# Altium PCB TIDA-01576_ADS8686S_AFE.PcbDoc (part 2 of 3) (continued)
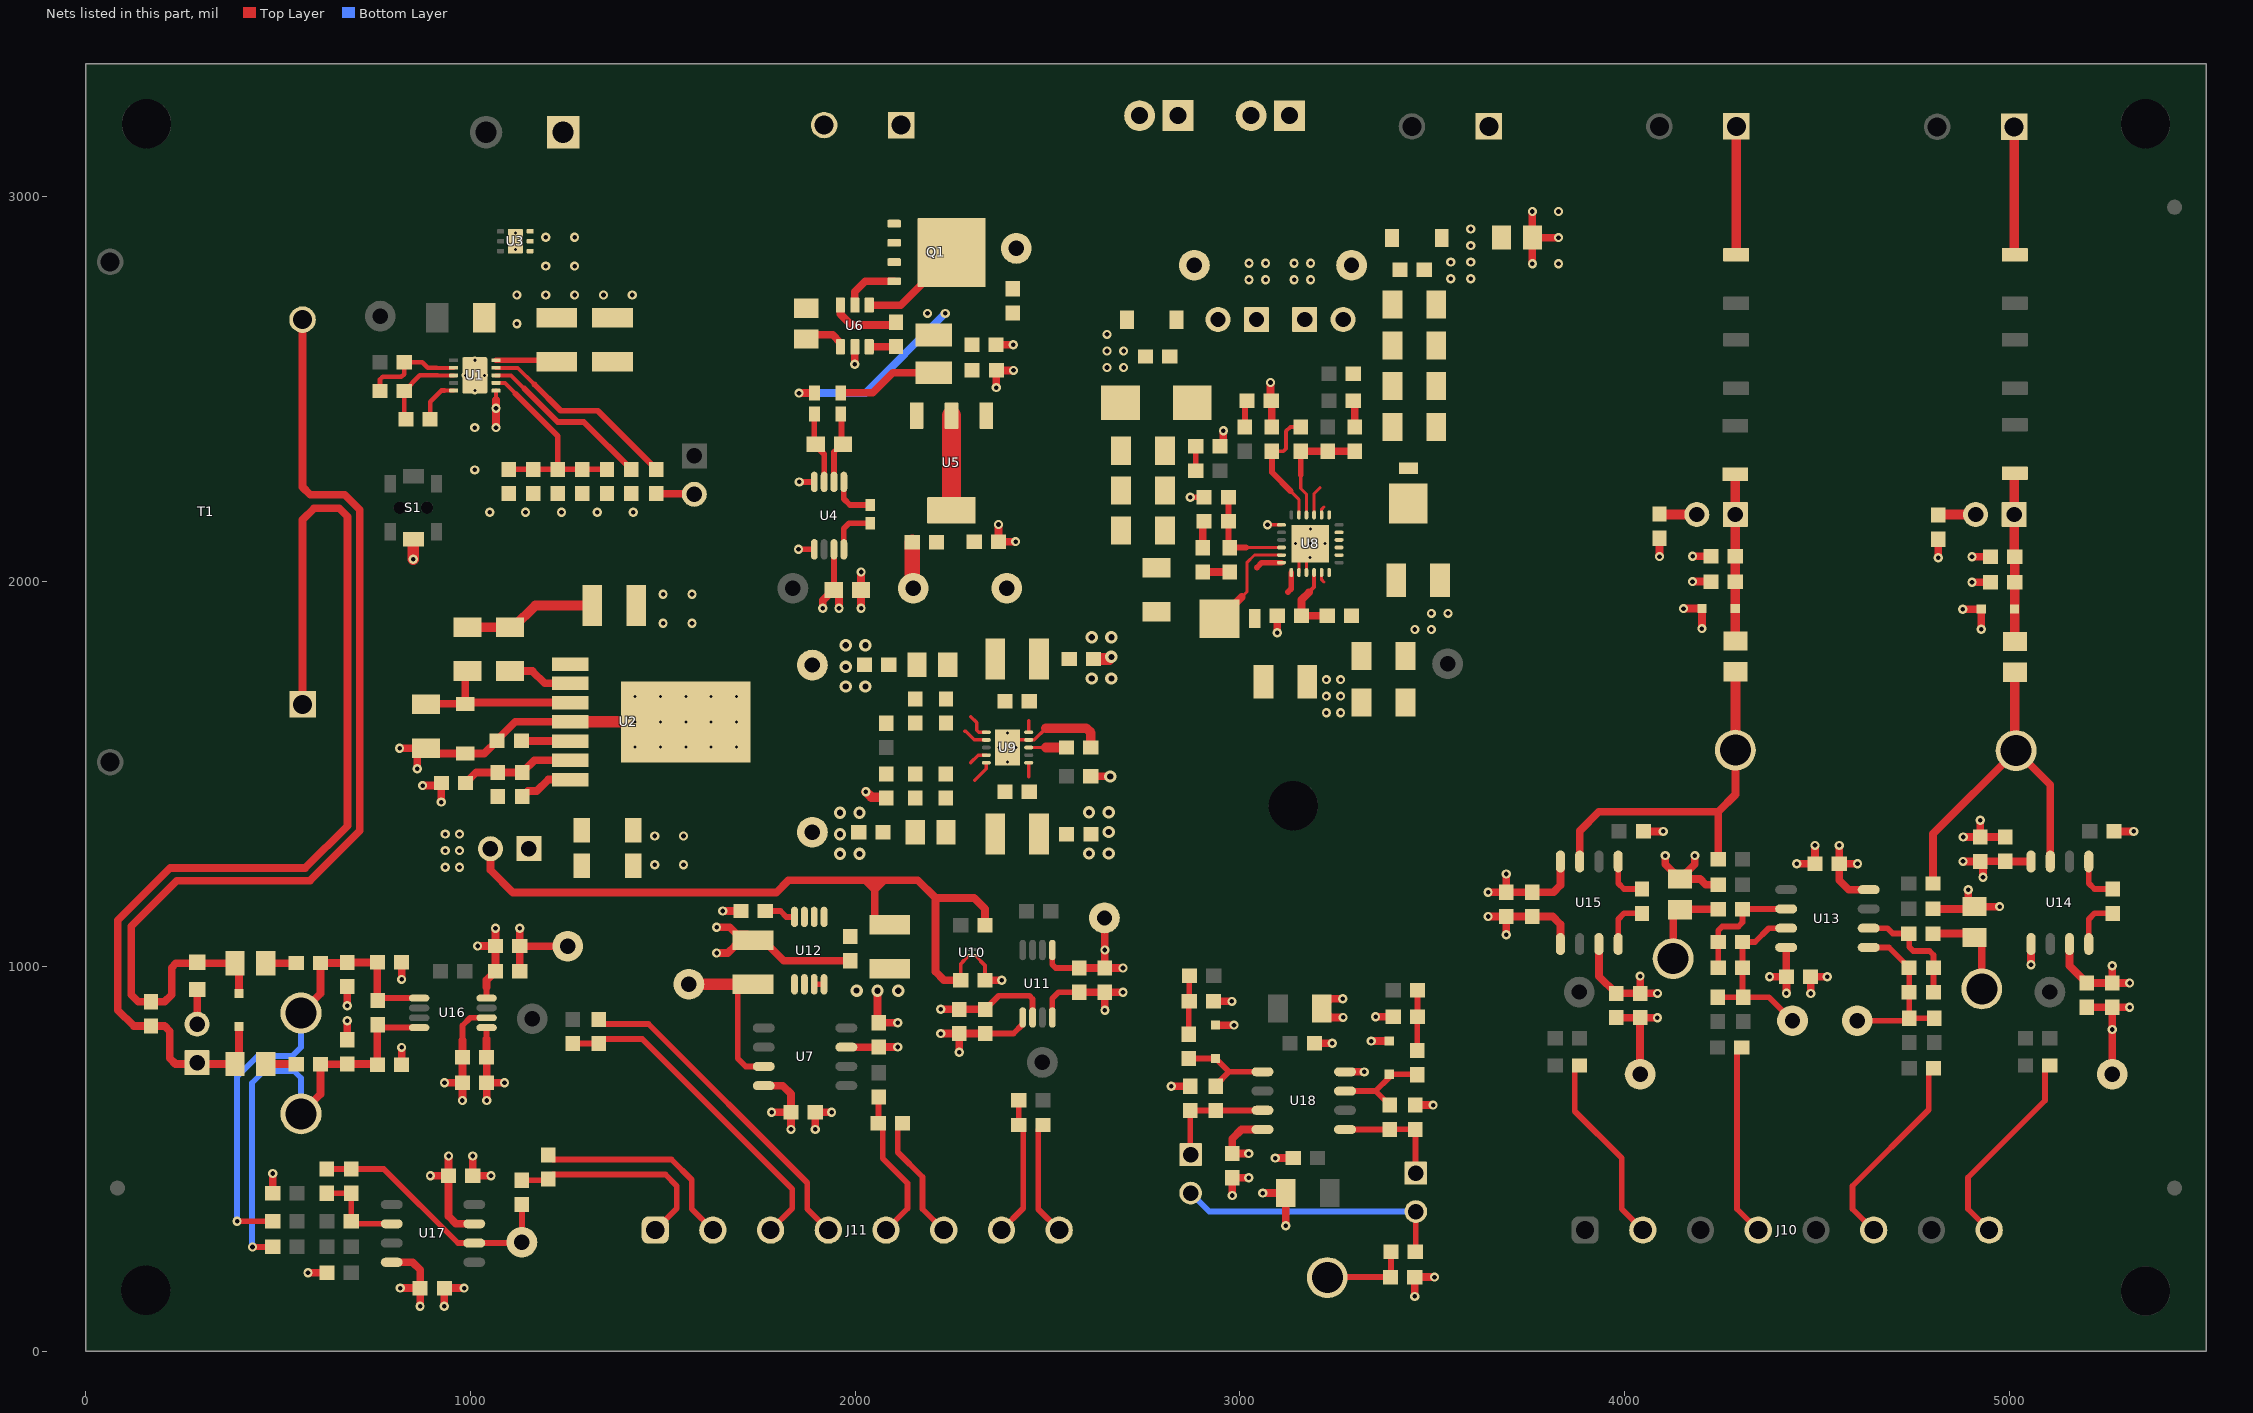
[diagram p4: the nets of this part, all layers, seen from the top]
## Part data (continued)
R35: library part RT0603DRE071RL, "RES SMD 1 OHM 5% 1/10W 0603", Manufacturer="Bourns inc", Power_W=0.1, Supplier Part Number 1=CR0603-J/-1R0ELFCT-ND, TempCo="50 ppm/C", Tolerance_%=0.5, Value1=0.5%, Value2=0.1W, Value_Code=1R00, ValueDisplayed=1.00, ComponentLink1Description="Datasheet link", ComponentLink1URL=http://www.yageo.com/pdf/PYu-RT_1-to-0.05_RoHS_L_3.pdf, CompType=Resistor, EIA_Code=E192, LatestRevisionDate=2014-12-16, MountType=SMT, PackageReference=0603, PartNumber=CR0603-J/-1R0ELF, Published=2008-06-26, Publisher="Texas Instruments", Res_ohm=1, RoHS=Y, Supplier 1=Digi-Key, SymbolVersion=2009-05-29, Technology="Thin Film", U/M=EA, VDC_V=75
R36: "RES, 1.0 k, 5%, 0.1 W, 0603", Manufacturer=Vishay-Dale, Power_W=0.1, Supplier Part Number 1=541-1.0KGCT-ND, TempCo="200 ppm/C", Tolerance_%=5, Value1=5%, Value2=0.1W, Value_Code=1k00, ValueDisplayed=1.0k, ComponentLink1Description="Datasheet link", ComponentLink1URL=http://www.vishay.com/docs/20035/dcrcwe3.pdf, CompType=Resistor, EIA_Code=E24, LatestRevisionDate=2014-12-16, MountType=SMT, PackageReference=0603, PartNumber=CRCW06031K00JNEA, Published=2008-06-26, Publisher="Texas Instruments", Res_ohm=1000, RoHS=Y, Supplier 1=Digi-Key, Supplier 2=Mouser, Supplier 3=Farnell, Supplier Part Number 2=71-CRCW0603J-1.0K-E3, Supplier Part Number 3=1652851, SymbolVersion=2009-05-29, Technology="Thick Film", U/M=EA, VDC_V=75
R37: library part CRCW0805330KJNEA, "RES, 0 ohm, 5%, 0.125W, 0805", Manufacturer=Vishay-Dale, Power_W=0.125, Supplier Part Number 1=541-0.0ACT-ND, TempCo="200 ppm/C", Tolerance_%=5, Value1=5%, Value2=0.125W, Value_Code=0, ComponentLink1Description="Datasheet link", ComponentLink1URL=http://www.vishay.com/docs/20035/dcrcwe3.pdf, CompType=Resistor, EIA_Code=E24, LatestRevisionDate=2014-04-18, MountType=SMT, PackageReference=0805, PartNumber=CRCW08050000Z0EA, Published=2008-06-26, Publisher="Texas Instruments", Res_ohm=0, RoHS=Y, Supplier 1=Digi-Key, SymbolVersion=2009-05-29, Technology="Thick Film", U/M=EA, VDC_V=150
R40 R56 R59 R62 R63: "RES, 10.0 k, 0.1%, 0.1 W, 0603", Manufacturer="Susumu Co Ltd", Power_W=0.1, Supplier Part Number 1=RG16P10.0KBCT-ND, TempCo="25 ppm/C", Value1=0.1%, Value2=0.1W, Value_Code=10k0, ValueDisplayed=10.0k, AEC Category=Q200, AEC Qualified=?, ComponentLink1Description="Datasheet link", ComponentLink1URL=http://www.susumu.co.jp/english/pdf/products-j01-01.pdf, CompType=Resistor, EIA_Code=E192, Green_EU RoHS=Passed, Green_EU RoHS-2=Passed, Green_Lifecycle=Active, Green_REACh=Passed, LatestRevisionDate=2017-06-13, MountType=SMT, PackageReference=0603, PartNumber=RG1608P-103-B-T5, Published=2008-06-26, Publisher="Texas Instruments", Res_ohm=10000, RoHS=Y, SizeArea_mm2=1.28, SizeX_mm=1.6, SizeY_mm=0.8, SizeZ_mm=1, Supplier 1=Digi-Key, Supplier 2=Mouser, Supplier 3=Farnell, Supplier Part Number 2=754-RG1608P-103-B-T5, Supplier Part Number 3=1797079, SymbolVersion=2009-05-29, Technology="Metal Film", Tolerance_%=0.1, U/M=EA, VDC_V=75
R41 R45: "RES, 249 k, 1%, 0.1 W, 0603", Manufacturer=Vishay-Dale, Power_W=0.1, Supplier Part Number 1=541-249KHCT-ND, TempCo="100 ppm/C", Tolerance_%=1, Value1=1%, Value2=0.1W, Value_Code=249k, AEC Category=Q200, AEC Qualified=?, ComponentLink1Description="Datasheet link", ComponentLink1URL=http://www.vishay.com/docs/20035/dcrcwe3.pdf, CompType=Resistor, EIA_Code=E96, LatestRevisionDate=2016-06-29, MountType=SMT, PackageReference=0603, PartNumber=CRCW0603249KFKEA, Published=2008-06-26, Publisher="Texas Instruments", Res_ohm=249000, RoHS=Y, SizeArea_mm2=1.28, SizeX_mm=1.6, SizeY_mm=0.8, SizeZ_mm=1, Supplier 1=Digi-Key, Supplier 2=Mouser, Supplier 3=Farnell, Supplier Part Number 2=71-CRCW0603-249K-E3, Supplier Part Number 3=1469787, SymbolVersion=2009-05-29, Technology="Thick Film", U/M=EA, ValueDisplayed=249k, VDC_V=75
R42 R50 R58 R60 R75 R76 R81 R92: "RES, 100, 0.1%, 0.1 W, 0603", Manufacturer="Susumu Co Ltd", Power_W=0.1, Supplier Part Number 1=RG16P100BCT-ND, TempCo="25 ppm/C", Value1=0.1%, Value2=0.1W, Value_Code=100R, ValueDisplayed=100, AEC Category=Q200, AEC Qualified=?, ComponentLink1Description="Datasheet link", ComponentLink1URL=http://www.susumu.co.jp/english/pdf/products-j01-01.pdf, CompType=Resistor, EIA_Code=E192, Green_EU RoHS=Passed, Green_EU RoHS-2=Passed, Green_Lifecycle=Active, Green_REACh=Passed, LatestRevisionDate=2017-06-13, MountType=SMT, PackageReference=0603, PartNumber=RG1608P-101-B-T5, Published=2008-06-26, Publisher="Texas Instruments", Res_ohm=100, RoHS=Y, SizeArea_mm2=1.28, SizeX_mm=1.6, SizeY_mm=0.8, SizeZ_mm=1, Supplier 1=Digi-Key, Supplier 2=Mouser, Supplier 3=Farnell, Supplier Part Number 2=754-RG1608P-101-B-T5, Supplier Part Number 3=1797075, SymbolVersion=2009-05-29, Technology="Metal Film", Tolerance_%=0.1, U/M=EA, VDC_V=75
R46: "RES, 27.0 k, 1%, 0.1 W, 0603", Manufacturer="Yageo America", Power_W=0.1, Supplier Part Number 1=311-27.0KHRCT-ND, TempCo="200 ppm/C", Tolerance_%=1, Value1=1%, Value2=0.1W, Value_Code=27k0, ValueDisplayed=27.0k, AEC Category=Q200, AEC Qualified=?, ComponentLink1Description="Datasheet link", ComponentLink1URL=http://www.yageo.com/pdf/Pu-RC0603_51_PbFree_L_2.pdf, CompType=Resistor, Green_EU RoHS="Passed with Exemption", Green_EU RoHS-2=Passed, Green_Lifecycle=Active, Green_REACh=Passed, LatestRevisionDate=2017-05-31, MountType=SMT, PackageReference=0603, PartNumber=RC0603FR-0727KL, Published=2008-06-26, Publisher="Texas Instruments", Res_ohm=27000, RoHS=Y, SizeArea_mm2=1.28, SizeX_mm=1.6, SizeY_mm=0.8, SizeZ_mm=1, Supplier 1=Digi-Key, Supplier 2=Mouser, Supplier 3=Farnell, Supplier Part Number 2=603-RC0603FR-0727KL, Supplier Part Number 3=9238654, SymbolVersion=2009-05-29, Technology="Thick Film", U/M=EA, VDC_V=150
R48: "RES, 24.0 k, 1%, 0.1 W, 0603", Manufacturer="Yageo America", Power_W=0.1, Supplier Part Number 1=311-24.0KHRCT-ND, TempCo="200 ppm/C", Tolerance_%=1, Value1=1%, Value2=0.1W, Value_Code=24k0, ValueDisplayed=24.0k, AEC Category=Q200, AEC Qualified=?, ComponentLink1Description="Datasheet link", ComponentLink1URL=http://www.yageo.com/pdf/Pu-RC0603_51_PbFree_L_2.pdf, CompType=Resistor, Green_EU RoHS="Passed with Exemption", Green_EU RoHS-2=Passed, Green_Lifecycle=Active, Green_REACh=Passed, LatestRevisionDate=2017-05-31, MountType=SMT, PackageReference=0603, PartNumber=RC0603FR-0724KL, Published=2008-06-26, Publisher="Texas Instruments", Res_ohm=24000, RoHS=Y, SizeArea_mm2=1.28, SizeX_mm=1.6, SizeY_mm=0.8, SizeZ_mm=1, Supplier 1=Digi-Key, Supplier 2=Mouser, Supplier 3=Farnell, Supplier Part Number 2=603-RC0603FR-0724KL, Supplier Part Number 3=1799336, SymbolVersion=2009-05-29, Technology="Thick Film", U/M=EA, VDC_V=150
R51 R53 R64 R67: "RES, 68.0 k, 0.1%, 0.1 W, 0603", Manufacturer="Susumu Co Ltd", Power_W=0.1, Supplier Part Number 1=RG16P68.0KBCT-ND, TempCo="25 ppm/C", Value1=0.1%, Value2=0.1W, Value_Code=68k0, ValueDisplayed=68.0k, AEC Category=Q200, AEC Qualified=?, ComponentLink1Description="Datasheet link", ComponentLink1URL=http://www.susumu.co.jp/english/pdf/products-j01-01.pdf, CompType=Resistor, LatestRevisionDate=2017-06-13, MountType=SMT, PackageReference=0603, PartNumber=RG1608P-683-B-T5, Published=2008-06-26, Publisher="Texas Instruments", Res_ohm=68000, RoHS=Y, SizeArea_mm2=1.28, SizeX_mm=1.6, SizeY_mm=0.8, SizeZ_mm=1, Supplier 1=Digi-Key, Supplier 2=Mouser, Supplier 3=Farnell, Supplier Part Number 2=754-RG1608P-683-BT5, Supplier Part Number 3=9368558, SymbolVersion=2009-05-29, Technology="Metal Film", Tolerance_%=0.1, U/M=EA, VDC_V=75
R52 R54 R55 R57 R61 R65: "RES, 330 k, 0.1%, 1 W, 1206", Manufacturer="Vishay Draloric", Power_W=1, Supplier Part Number 1=541-2312-1-ND, TempCo="25 ppm/C", Tolerance_%=0.1, Value1=0.1%, Value2=1W, Value_Code=330k, AEC Category=Q200, AEC Grade=N/A, AEC Qualified=N, ComponentLink1Description="Datasheet link", ComponentLink1URL=http://www.vishay.com/docs/28881/tnpve3.pdf, CompType=Resistor, LatestRevisionDate=2017-06-12, MountType=SMT, PackageReference=1206, PartNumber=TNPV1206330KBEEN, Published=2008-06-26, Publisher="Texas Instruments", Res_ohm=330000, RoHS=Y, SizeArea_mm2=5.12, SizeX_mm=3.2, SizeY_mm=1.6, SizeZ_mm=0.65, Supplier 1=Digi-Key, Supplier 2=Newark, Supplier 3=Mouser, Supplier Part Number 2=46Y8550, Supplier Part Number 3=71-TNPV1206330KBEEN, SymbolVersion=2009-05-29, Technology="Thin Film", U/M=EA, ValueDisplayed=330k, VDC_V=700
R71 R73: "RES, 3.92 k, 0.1%, 0.1 W, 0603", Manufacturer="Susumu Co Ltd", Power_W=0.1, Supplier Part Number 1=RG16P3.92KBCT-ND, TempCo="25 ppm/C", Value1=0.1%, Value2=0.1W, Value_Code=3k92, ValueDisplayed=3.92k, AEC Category=Q200, AEC Qualified=?, ComponentLink1Description="Datasheet link", ComponentLink1URL=http://www.susumu.co.jp/english/pdf/products-j01-01.pdf, CompType=Resistor, EIA_Code=E192, LatestRevisionDate=2017-06-13, MountType=SMT, PackageReference=0603, PartNumber=RG1608P-3921-B-T5, Published=2008-06-26, Publisher="Texas Instruments", Res_ohm=3920, RoHS=Y, SizeArea_mm2=1.28, SizeX_mm=1.6, SizeY_mm=0.8, SizeZ_mm=1, Supplier 1=Digi-Key, Supplier 2=Mouser, Supplier 3=Farnell, Supplier Part Number 2=754-RG1608P-3921-BT5, Supplier Part Number 3=1797178, SymbolVersion=2009-05-29, Technology="Metal Film", Tolerance_%=0.1, U/M=EA, VDC_V=75
R72 R74: "RES, 30.1 k, 0.1%, 0.1 W, 0603", Manufacturer="Susumu Co Ltd", Power_W=0.1, Supplier Part Number 1=RG16P30.1KBCT-ND, TempCo="25 ppm/C", Value1=0.1%, Value2=0.1W, Value_Code=30k1, ValueDisplayed=30.1k, AEC Category=Q200, AEC Qualified=?, ComponentLink1Description="Datasheet link", ComponentLink1URL=http://www.susumu.co.jp/english/pdf/products-j01-01.pdf, CompType=Resistor, EIA_Code=E192, Green_EU RoHS=Passed, Green_EU RoHS-2=Passed, Green_Lifecycle=Active, Green_REACh=Passed, LatestRevisionDate=2017-06-13, MountType=SMT, PackageReference=0603, PartNumber=RG1608P-3012-B-T5, Published=2008-06-26, Publisher="Texas Instruments", Res_ohm=30100, RoHS=Y, SizeArea_mm2=1.28, SizeX_mm=1.6, SizeY_mm=0.8, SizeZ_mm=1, Supplier 1=Digi-Key, Supplier 2=Mouser, Supplier 3=Farnell, Supplier Part Number 2=754-RG1608P-3012-BT5, Supplier Part Number 3=1797150, SymbolVersion=2009-05-29, Technology="Metal Film", Tolerance_%=0.1, U/M=EA, VDC_V=75
R79 R86: "RES, 249, 0.1%, 0.1 W, 0603", Manufacturer="Yageo America", Power_W=0.1, Supplier Part Number 1=YAG1597CT-ND, TempCo="25 ppm/C", Value1=0.1%, Value2=0.1W, Value_Code=249R, ValueDisplayed=249, AEC Category=Q200, AEC Qualified=?, ComponentLink1Description="Datasheet link", ComponentLink1URL=http://www.yageo.com/pdf/PYu-RT_1-to-0.05_RoHS_L_3.pdf, CompType=Resistor, EIA_Code=E192, LatestRevisionDate=2015-10-07, MountType=SMT, PackageReference=0603, PartNumber=RT0603BRD07249RL, Published=2008-06-26, Publisher="Texas Instruments", Res_ohm=249, RoHS=Y, Supplier 1=Digi-Key, SymbolVersion=2009-05-29, Technology="Thin Film", Tolerance_%=0.1, U/M=EA, VDC_V=75
R80 R85 R95: "RES, 100 k, 0.1%, 0.1 W, 0603", Manufacturer="Susumu Co Ltd", Power_W=0.1, Supplier Part Number 1=RG16P100KBCT-ND, TempCo="25 ppm/C", Value1=0.1%, Value2=0.1W, Value_Code=100k, AEC Category=Q200, AEC Qualified=?, ComponentLink1Description="Datasheet link", ComponentLink1URL=http://www.susumu.co.jp/english/pdf/products-j01-01.pdf, CompType=Resistor, EIA_Code=E192, Green_EU RoHS=Passed, Green_EU RoHS-2=Passed, Green_Lifecycle=Active, Green_REACh=Passed, LatestRevisionDate=2017-06-13, MountType=SMT, PackageReference=0603, PartNumber=RG1608P-104-B-T5, Published=2008-06-26, Publisher="Texas Instruments", Res_ohm=100000, RoHS=Y, SizeArea_mm2=1.28, SizeX_mm=1.6, SizeY_mm=0.8, SizeZ_mm=1, Supplier 1=Digi-Key, Supplier 2=Mouser, Supplier 3=Farnell, Supplier Part Number 2=754-RG1608P-104-B-T5, Supplier Part Number 3=1846377, SymbolVersion=2009-05-29, Technology="Metal Film", Tolerance_%=0.1, U/M=EA, ValueDisplayed=100k, VDC_V=75
R82: "RES, 169, 1%, 0.1 W, 0603", Manufacturer="Yageo America", Power_W=0.1, Supplier Part Number 1=311-169HRCT-ND, TempCo="200 ppm/C", Tolerance_%=1, Value1=1%, Value2=0.1W, Value_Code=169R, ValueDisplayed=169, AEC Category=Q200, AEC Qualified=?, ComponentLink1Description="Datasheet link", ComponentLink1URL=http://www.yageo.com/pdf/Pu-RC0603_51_PbFree_L_2.pdf, CompType=Resistor, EIA_Code=E96, LatestRevisionDate=2016-06-29, MountType=SMT, PackageReference=0603, PartNumber=RC0603FR-07169RL, Published=2008-06-26, Publisher="Texas Instruments", Res_ohm=169, RoHS=Y, SizeArea_mm2=1.28, SizeX_mm=1.6, SizeY_mm=0.8, SizeZ_mm=1, Supplier 1=Digi-Key, Supplier 2=Mouser, Supplier Part Number 2=603-RC0603FR-07169RL, SymbolVersion=2009-05-29, Technology="Thick Film", U/M=EA, VDC_V=150
R84: "RES, 15.0, 0.1%, 0.063 W, AEC-Q200 Grade 0, 0603", Manufacturer="TE Connectivity", Power_W=0.063, Supplier Part Number 1=A124032CT-ND, TempCo="25 ppm/C", Tolerance_%=0.1, Value1=0.1%, Value2=0.063W, Value_Code=15R0, ValueDisplayed=15.0, AEC Category=Q200, AEC Grade=0, AEC Qualified=Y, ComponentLink1Description="Datasheet link", ComponentLink1URL=http://www.te.com/commerce/DocumentDelivery/DDEController?Action=srchrtrv&DocNm=1773200-1&DocType=DS&DocLang=English, CompType=Resistor, EIA_Code=E192, LatestRevisionDate=2017-06-13, MountType=SMT, PackageReference=0603, PartNumber=CPF-A-0603B15RE, Published=2008-06-26, Publisher="Texas Instruments", Res_ohm=15, RoHS=Y, SizeArea_mm2=1.24, SizeX_mm=1.55, SizeY_mm=0.8, SizeZ_mm=0.55, Supplier 1=Digi-Key, Supplier 2=Newark, Supplier 3=Mouser, Supplier Part Number 2=84Y4177, Supplier Part Number 3=279-CPF-A-0603B15RE1, SymbolVersion=2009-05-29, Technology="Thin Film", U/M=EA
R89: "RES, 82.0 k, 0.1%, 0.1 W, 0603", Manufacturer="Susumu Co Ltd", Power_W=0.1, Supplier Part Number 1=RG16P82.0KBCT-ND, TempCo="25 ppm/C", Value1=0.1%, Value2=0.1W, Value_Code=82k0, ValueDisplayed=82.0k, AEC Category=Q200, AEC Qualified=?, ComponentLink1Description="Datasheet link", ComponentLink1URL=http://www.susumu.co.jp/english/pdf/products-j01-01.pdf, CompType=Resistor, LatestRevisionDate=2016-06-29, MountType=SMT, PackageReference=0603, PartNumber=RG1608P-823-B-T5, Published=2008-06-26, Publisher="Texas Instruments", Res_ohm=82000, RoHS=Y, SizeArea_mm2=1.28, SizeX_mm=1.6, SizeY_mm=0.8, SizeZ_mm=1, Supplier 1=Digi-Key, Supplier 2=Mouser, Supplier Part Number 2=754-RG1608P-823-BT5, SymbolVersion=2009-05-29, Technology="Metal Film", Tolerance_%=0.1, U/M=EA, VDC_V=75
R90 R93: "RES, 8.20 k, 0.1%, 0.1 W, 0603", Manufacturer="Susumu Co Ltd", Power_W=0.1, Supplier Part Number 1=RG16P8.2KBCT-ND, TempCo="25 ppm/C", Value1=0.1%, Value2=0.1W, Value_Code=8k20, ValueDisplayed=8.20k, AEC Category=Q200, AEC Qualified=?, ComponentLink1Description="Datasheet link", ComponentLink1URL=http://www.susumu.co.jp/english/pdf/products-j01-01.pdf, CompType=Resistor, LatestRevisionDate=2017-06-13, MountType=SMT, PackageReference=0603, PartNumber=RG1608P-822-B-T5, Published=2008-06-26, Publisher="Texas Instruments", Res_ohm=8200, RoHS=Y, SizeArea_mm2=1.28, SizeX_mm=1.6, SizeY_mm=0.8, SizeZ_mm=1, Supplier 1=Digi-Key, Supplier 2=Mouser, Supplier Part Number 2=754-RG1608P-822-BT5, SymbolVersion=2009-05-29, Technology="Metal Film", Tolerance_%=0.1, U/M=EA, VDC_V=75
R91 R102: "RES, 1.00Meg ohm, 1%, 0.1W, 0603", Manufacturer=Vishay-Dale, Power_W=0.1, Supplier Part Number 1=541-1.00MHCT-ND, TempCo="100 ppm/C", Tolerance_%=1, Value1=1%, Value2=0.1W, Value_Code=1M00, ComponentLink1Description="Datasheet link", ComponentLink1URL=http://www.vishay.com/docs/20035/dcrcwe3.pdf, CompType=Resistor, EIA_Code=E96, LatestRevisionDate=2014-03-01, MountType=SMT, PackageReference=0603, PartNumber=CRCW06031M00FKEA, Published=2008-06-26, Publisher="Texas Instruments", Res_ohm=1000000, RoHS=Y, Supplier 1=Digi-Key, Supplier 2=Mouser, Supplier 3=Farnell, Supplier Part Number 2=71-CRCW0603-1.0M-E3, Supplier Part Number 3=1469746, SymbolVersion=2009-05-29, Technology="Thick Film", U/M=EA, VDC_V=75
R96 R99 R103 R106: library part RNCF0603TKY10K0, "RES, 10.0k ohm, 1%, 0.1W, 0603", Manufacturer="Stackpole Electronics Inc", Power_W=0.063, Supplier Part Number 1=541-10.0KHCT-ND, TempCo="5 ppm/C", Tolerance_%=0.01, Value1=0.01%, Value2=0.063W, Value_Code=10k0, ComponentLink1Description="Datasheet link", ComponentLink1URL=http://www.seielect.com/Catalog/SEI-RNCF.pdf, CompType=Resistor, LatestRevisionDate=2013-10-22, MountType=SMT, PackageReference=0603, PartNumber=CRCW060310K0FKEA, Published=2008-06-26, Publisher="Texas Instruments", Res_ohm=10000, RoHS=Y, Supplier 1=Digi-Key, SymbolVersion=2009-05-29, Technology="Thin Film", U/M=EA, VDC_V=50
R97 R104: "RES, 10.0k ohm, 1%, 0.1W, 0603", Manufacturer=Vishay-Dale, Power_W=0.1, Supplier Part Number 1=541-10.0KHCT-ND, TempCo="100 ppm/C", Tolerance_%=1, Value1=1%, Value2=0.1W, Value_Code=10k0, ComponentLink1Description="Datasheet link", ComponentLink1URL=http://www.vishay.com/docs/20035/dcrcwe3.pdf, CompType=Resistor, EIA_Code=E96, LatestRevisionDate=2013-10-22, MountType=SMT, PackageReference=0603, PartNumber=CRCW060310K0FKEA, Published=2008-06-26, Publisher="Texas Instruments", Res_ohm=10000, RoHS=Y, Supplier 1=Digi-Key, Supplier 2=Mouser, Supplier 3=Farnell, Supplier Part Number 2=71-CRCW0603-10K-E3, Supplier Part Number 3=1469748, SymbolVersion=2009-05-29, Technology="Thick Film", U/M=EA, VDC_V=75
R98 R101 R105: "RES, 100 ohm, 1%, 0.1W, 0603", Manufacturer=Vishay-Dale, Power_W=0.1, Supplier Part Number 1=541-100HCT-ND, TempCo="100 ppm/C", Tolerance_%=1, Value1=1%, Value2=0.1W, Value_Code=100R, ComponentLink1Description="Datasheet link", ComponentLink1URL=http://www.vishay.com/docs/20035/dcrcwe3.pdf, CompType=Resistor, EIA_Code=E96, LatestRevisionDate=2013-10-22, MountType=SMT, PackageReference=0603, PartNumber=CRCW0603100RFKEA, Published=2008-06-26, Publisher="Texas Instruments", Res_ohm=100, RoHS=Y, Supplier 1=Digi-Key, Supplier 2=Mouser, Supplier 3=Farnell, Supplier Part Number 2=71-CRCW0603-100-E3, Supplier Part Number 3=1469752, SymbolVersion=2009-05-29, Technology="Thick Film", U/M=EA, VDC_V=75
R100 R107: "RES, 470, 1%, 0.25 W, 1206", Manufacturer="Yageo America", Power_W=0.25, Supplier Part Number 1=311-470FRCT-ND, TempCo="100 ppm/C", Tolerance_%=1, Value1=1%, Value2=0.25W, Value_Code=470R, ValueDisplayed=470, AEC Category=Q200, AEC Qualified=?, ComponentLink1Description="Datasheet link", ComponentLink1URL=http://www.yageo.com/pdf/Pu-RC1206_51_PbFree_L_2.pdf, CompType=Resistor, LatestRevisionDate=2017-06-12, MountType=SMT, PackageReference=1206, PartNumber=RC1206FR-07470RL, Published=2008-06-26, Publisher="Texas Instruments", Res_ohm=470, RoHS=Y, SizeArea_mm2=5.12, SizeX_mm=3.2, SizeY_mm=1.6, SizeZ_mm=1.35, Supplier 1=Digi-Key, Supplier 2=Mouser, Supplier 3=Farnell, Supplier Part Number 2=603-RC1206FR-07470RL, Supplier Part Number 3=9240926, SymbolVersion=2009-05-29, Technology="Thick Film", U/M=EA, VDC_V=200
S1: "Switch, SPST-NO,  Off-Mom, 0.05A, 12VDC, SMD", CurrentRating_mA=50, Manufacturer="C&K Components", Supplier Part Number 1=CKN10505CT-ND, Circuit=SPST-NO, ComponentLink1Description="Datasheet Link", ComponentLink1URL=http://www.ck-components.com/80184/pts820_4mar13.pdf/, CompType=Switch, LatestRevisionDate=2017-02-03, MountType=SMT, Orientation="Top Actuated", PackageReference=3.9x2.9mm, PartNumber="PTS820 J20M SMTR LFS", PositionCount=1, Publisher="Texas Instruments", RoHS=Y, Supplier 1=Digi-Key, Supplier 2=Mouser, Supplier Part Number 2=611-PTS820J20MSMTR, SwitchFunction=Off-Mom, SymbolCreator=a0412235, SymbolVersion=2012-10-29, VDC_V=12
T1: "CURRENT TRANSFORMER, 20-1 KHz, 57 OHM, VERTICAL, THRU-4P", Manufacturer="CR MAGNETICS", Supplier Part Number 1=582-1015-ND, ComponentLink1Description="Data sheet Link", ComponentLink1URL=http://www.crmagnetics.com/Assets/ProductPDFs/CR8300%20Series.pdf, CompType=TRANSFORMER, MountType=TH, PartNumber=CR8350-2500-N, RoHS=Y, Supplier 1=Digi-Key, SymbolCreator=x0199378, SymbolVersion=2016-07-19
TP1 TP2 TP4 TP6 TP7 TP8 TP9: "Test Point, Miniature, Red, TH", Color=Red, Manufacturer=Keystone, Supplier Part Number 1=36-5000-ND, ComponentLink1Description="Datasheet URL", ComponentLink1URL=http://www.keyelco.com/userAssets/file/M60-2p60.pdf, CompType="Test Point Loop", ContactFinish=Silver, Green_EU RoHS=Passed, Green_EU RoHS-2=Incomplete, Green_Lifecycle=Active, Green_REACh=Passed, LatestRevisionDate=2017-05-11, MountType=TH, PackageReference="Red Miniature Testpoint", PartNumber=5000, Publisher="Texas Instruments", RoHS=Y, Supplier 1=Digi-Key, Supplier 2=Mouser, Supplier Part Number 2=534-5000, SymbolVersion=2008-04-04
TP3: library part CMP-0055137-1, "Test Point, Miniature, Red, TH", Color=Red, Manufacturer=Keystone, Supplier Part Number 1=36-5000-ND, CNHeader=FALSE, ComponentLink1Description="Datasheet URL", ComponentLink1URL=http://www.keyelco.com/userAssets/file/M60-2p60.pdf, CompType="Test Point", ContactFinish=Silver, CT=TRUE, Green_EU RoHS=Passed, Green_EU RoHS-2=Incomplete, Green_Lifecycle=Active, Green_REACh=Passed, LatestRevisionDate=26/05/2017, MountType=TH, PackageReference="Red Miniature Testpoint", PartNumber=5000, Publisher="Texas Instruments", RoHS=Y, Supplier 1=Digi-Key, Supplier 2=Mouser, Supplier Part Number 2=534-5000
TP5: "Test Point, Miniature, Black, TH", Color=Black, Manufacturer=Keystone, Supplier Part Number 1=36-5001-ND, ComponentLink1Description="Datasheet URL", ComponentLink1URL=http://www.keyelco.com/userAssets/file/M60-2p60.pdf, CompType="Test Point Loop", ContactFinish=Silver, Green_EU RoHS=Passed, Green_EU RoHS-2=Incomplete, Green_Lifecycle=Active, Green_REACh=Passed, LatestRevisionDate=2017-05-11, MountType=TH, PackageReference="Black Miniature Testpoint", PartNumber=5001, Publisher="Texas Instruments", RoHS=Y, Supplier 1=Digi-Key, Supplier 2=Mouser, Supplier Part Number 2=534-5001, SymbolVersion=2008-04-04
TP10 TP11 TP13 TP15 TP17 TP20 TP21 TP25 TP28: "Test Point, Miniature, White, TH", Manufacturer=Keystone, Supplier Part Number 1=36-5002-ND, ComponentLink1Description="Datasheet Link", ComponentLink1URL=http://www.keyelco.com/userAssets/file/M60-2p60.pdf, CompType="Test Point Loop", LatestRevisionDate=2015-08-25, MountType=TH, PackageReference="White Miniature Testpoint", PartNumber=5002, Publisher="Texas Instruments", RoHS=Y, Supplier 1=Digi-Key, Supplier 2=Newark, Supplier Part Number 2=82H9632, SymbolVersion=2008-04-04, U/M=EA
TP12 TP22 TP23 TP27: "Test Point, Miniature, Black, TH", Manufacturer=Keystone, Supplier Part Number 1=36-5001-ND, ComponentLink1Description="Datasheet Link", ComponentLink1URL=http://www.keyelco.com/userAssets/file/M60-2p60.pdf, CompType="Test Point Loop", LatestRevisionDate=2015-08-25, MountType=TH, PackageReference="Black Miniature Testpoint", PartNumber=5001, Publisher="Texas Instruments", RoHS=Y, Supplier 1=Digi-Key, SymbolVersion=2008-04-04, U/M=EA
TP14 TP16 TP18 TP19 TP24 TP26 TP29: library part 1573-2, "Terminal, Turret, TH, Double", Manufacturer=Keystone, Supplier Part Number 1=36-1573-2-ND, ComponentLink1Description="Datasheet Link", ComponentLink1URL=http://www.keyelco.com/pdfs/M55p126.pdf, CompType="Turret Terminal", LatestRevisionDate=2015-08-25, MountType=TH, PackageReference=Keystone1573-2, PartNumber=1573-2, Publisher="Texas Instruments", RoHS=Y, Supplier 1=Digi-Key, SymbolVersion=2010-10-20, U/M=EA
U1: "7V - 57V, 800mA Industrial eFuse with Integrated Reverse Polarity Protection, DRC0010J (VSON-10)", Alternate Manufacturer="Texas Instruments", Alternate PartNumber=TPS26625DRCR, ComponentLink1Description="Datasheet Link", ComponentLink1URL=https://sps06.itg.ti.com/sites/KMS/crossdivteams/altium/docs/ComponentDatasheets/TPS2662_Product_Spec_doc.pdf, CompType=IC, LatestRevisionDate=2017-06-23, Manufacturer="Texas Instruments", MountType=SMT, PackageDescription=VSON-10, PackageReference=DRC0010J, PartNumber=TPS26624DRCR, Publisher="Texas Instruments", SizeArea_mm2=9, SizeAreaWB_mm2=16, SizeX_mm=3, SizeY_mm=3, SizeZ_mm=1, SymbolCreator=a0411947, SymbolVersion=2016-12-21, U/M=EA
U2: "1A SIMPLE SWITCHER?Power Module with 42V Maximum Input, 7 pin TO-PMOD", Manufacturer="Texas Instruments", PackageTopMarking=NSUZXYTTE#*LMZ14201*TZ-ADJ, PowerWise=Y, Supplier Part Number 1=LMZ14201TZ-ADJTR-ND, ComponentLink1Description="LMZ14201 Datasheet", ComponentLink1URL=http://www.national.com/ds/LM/LMZ14201.pdf, ComponentLink2Description="LMZ14201 Web Page", ComponentLink2URL=http://www.national.com/pf/LM/LMZ14201.html, ComponentLink3Description="TZA07A Package Page", ComponentLink3URL=http://www.national.com/packaging/folders/tza07a.html, CompType=Switcher, DatasheetVersion=Jun-2010, PackageDescription="TO-PMOD-7, 10.16 x 13.77 x 4.57 mm Body, 7 Lead, 1.27mm Pitch, Surface Mount", PackageReference=TZA07A, PackageVersion="revC, 2009", PartNumber=LMZ14201TZ-ADJ/NOPB, PinCount=7, Published=16-Nov-2010, Publisher="Altium Limited", RoHS=Y, Supplier 1=Digi-Key, Supplier 2=Digi-Key, Supplier 3=Digi-Key, Supplier Part Number 2=LMZ14201TZ-ADJCT-ND, Supplier Part Number 3=LMZ14201TZ-ADJDKR-ND
U3: library part CMP-0013424-7, "33-V Precision Surge Protection Clamp, DRV0006A (WSON-6)", Alternate Manufacturer="Texas Instruments", Alternate PartNumber=TVS3300DRVT, ComponentLink1Description="Datasheet Link", ComponentLink1URL=http://www.ti.com/lit/ds/symlink/tvs3300.pdf, ComponentLink2Description="Product Folder", ComponentLink2URL=http://www.ti.com/product/tvs3300, CompType=IC, Manufacturer="Texas Instruments", MountType=SMT, PackageDescription=WSON-6, PackageReference=DRV0006A, PartNumber=TVS3300DRVR, RoHS=Y, SizeArea_mm2=4, SizeAreaWB_mm2=9, SizeX_mm=2, SizeY_mm=2, SizeZ_mm=0.8, U/M=EA
U4: "Low-Power, Zero-Drift, Precision Instrumentation Amplifier, DGK0008A (VSSOP-8)", Alternate Manufacturer="Texas Instruments", Alternate PartNumber=INA333AIDGKT, ComponentLink1Description="Datasheet Link", ComponentLink1URL=http://www.ti.com/lit/ds/symlink/ina333.pdf, CompType=IC, Green_EU RoHS=Passed, Green_EU RoHS-2=Passed, Green_Lifecycle=Active, Green_REACh=Passed, LatestRevisionDate=2017-06-05, Manufacturer="Texas Instruments", MountType=SMT, PackageDescription=VSSOP-8, PackageReference=DGK0008A, PartNumber=INA333AIDGKR, Publisher="Texas Instruments", RoHS=Y, SizeArea_mm2=15.655, SizeAreaWB_mm2=35.955, SizeX_mm=5.05, SizeY_mm=3.1, SizeZ_mm=1.1, SymbolCreator=a0799628, SymbolVersion=2013-11-20, U/M=EA
U5: library part CMP-0036760-1, "Single Output LDO, 1 A, Fixed 3.3 V Output, 2 to 5.5 V Input, 4-pin SOT-223 (DCY), -40 to 125 degC, Green (RoHS & no Sb/Br)", Manufacturer="Texas Instruments", Accuracy(%)=2, Code_JEDEC=TO-261, ComponentLink1Description="Manufacturer URL", ComponentLink1URL=http://www.ti.com/, ComponentLink2Description=Datasheet, ComponentLink2URL=http://www.ti.com/general/docs/lit/getliterature.tsp?genericPartNumber=TLV1117LV33&fileType=pdf, ComponentLink3Description="Package Specification", ComponentLink3URL=http://www.ti.com/litv/pdf/mpds094a, DatasheetVersion=SBVS160A, Eco-Plan="Green (RoHS & no Sb/Br)", Fixed Output Options(V)=3.3, Iout(Max)(A)=1, Iq(Typ)(mA)=0.05, Mounting Technology="Surface Mount", PackageDescription="4-Pin Plastic Small Outline, Body 3.5 x 6.5 mm, Pitch 2.3 mm", PackageReference=DCY0004A, PackageVersion=4202506/B, PartNumber=TLV1117LV33DCYR, SubFamily="Single Channel LDO", Vdo(Typ)(mV)=1200, Vin(Max)(V)=5.5, Vin(Min)(V)=2, Vout Adj(Max)(V)=3.3, Vout Adj(Min)(V)=3.3
U6: library part CMP-0079180-1, "Low Iq Always ON Smart Diode Controller, DBV0006A (SOT-23-6)", Alternate Manufacturer="Texas Instruments", Alternate PartNumber=LM74700QDBVRQ1, AEC Category=Q200, AEC Qualified=Y, ComponentLink1Description="Datasheet Link", ComponentLink1URL=http://www.ti.com/lit/ds/symlink/lm74700-q1.pdf, ComponentLink2Description="Product Folder", ComponentLink2URL=http://www.ti.com/product/lm74700-q1, ComponentLink3Description="Online Datasheet", ComponentLink3URL=http://www.ti.com/product/lm74700-q1/datasheet, CompType=IC, Manufacturer="Texas Instruments", MountType=SMT, PackageDescription=SOT-23-6, PackageReference=DBV0006A, PartNumber=LM74700QDBVTQ1, SizeArea_mm2=8.12, SizeAreaWB_mm2=14.82, SizeX_mm=2.8, SizeY_mm=2.9, SizeZ_mm=1.45
U7: library part CMP-0065568-1, "0.1-uV/degC Drift, Low-Noise, Rail-to-Rail Output, 36-V, Zero-Drift Operational Amplifier, D0008A (SOIC-8)", Alternate Manufacturer="Texas Instruments", Alternate PartNumber=OPA180ID, ComponentLink1Description="Datasheet Link", ComponentLink1URL=http://www.ti.com/lit/ds/symlink/opa180.pdf, CompType=IC, Footprint Path 6=C:\AltiumLibraries\Footprints\TI\.PcbLib, LatestRevisionDate=2017-06-09, Manufacturer="Texas Instruments", MountType=SMT, PackageDescription=SOIC-8, PackageReference=D0008A, PartId=1, PartNumber=OPA180IDR, Publisher="Texas Instruments", RoHS=Y, SizeArea_mm2=30.38, SizeAreaWB_mm2=56.58, SizeX_mm=4.9, SizeY_mm=6.2, SizeZ_mm=1.75, U/M=EA
U8: "Postive and Negative Output DC-DC Converter, 2.7 to 5.5 V, -40 to 85 degC, 24-pin QFN (RGE24), Green (RoHS & no Sb/Br)", Alternate Manufacturer=None, Alternate PartNumber=Equivalent, Manufacturer="Texas Instruments", Rating=Catalog, Supplier Part Number 1=296-41760-1-ND, Switching Frequency(Typ)(kHz)=1400, Code_JEDEC=MO-220, ComponentLink1Description="Manufacturer URL", ComponentLink1URL=http://www.ti.com/, ComponentLink2Description=Datasheet, ComponentLink2URL=http://www.ti.com/general/docs/lit/getliterature.tsp?genericPartNumber=TPS65131&fileType=pdf, ComponentLink3Description="Package Specification", ComponentLink3URL=http://www.ti.com/litv/pdf/mpqf124f, DatasheetVersion=SLVS493B, Eco-Plan="Green (RoHS & no Sb/Br)", Iq(Typ)(mA)=0.5, MountType=SMT, PackageDescription="24-Pin Plastic Flat Pack, Body 4 x 4 mm, 0.5 mm Pitch", PackageReference=RGE0024B, PackageVersion=4204104/G, PartNumber=TPS65131RGET, SubFamily="LCD/OLED Display Bias Solutions", Supplier 1=Digi-Key, Supplier 2=Digi-Key, Supplier 3=Digi-Key, Supplier 4=Newark, Supplier 5=Mouser, Supplier Part Number 2=296-17349-1-ND, Supplier Part Number 3=296-17349-6-ND, Supplier Part Number 4=44J2536, Supplier Part Number 5=595-TPS65131RGET, Synchronous Rectification=TRUE, Topology="Boost, Inverting Buck/Boost", Vin(Max)(V)=5.5, Vin(Min)(V)=2.7
U9: "Wide-VIN (?3 V), 150-mA, Spilt-Rail Output, Positive and Negative LDO Voltage Regulator with Startup Tracking, DSC0010J", Alternate Manufacturer="Texas Instruments", ComponentLink1Description="Datasheet Link", ComponentLink1URL=https://sps06.itg.ti.com/sites/KMS/crossdivteams/altium/docs/ComponentDatasheets/SBVS263.pdf, CompType=IC, LatestRevisionDate=2016-07-20, Manufacturer="Texas Instruments", MountType=SMT, PackageDescription=WSON-10, PackageReference=DSC0010J, PartNumber=TPS7A3901DSC, Publisher="Texas Instruments", SizeArea_mm2=9, SizeAreaWB_mm2=16, SizeX_mm=3, SizeY_mm=3, SizeZ_mm=0.8, SymbolCreator=Altium, SymbolVersion=2016-01-29, U/M=EA
U10: library part CMP-0066231-1, "+/-0.1degC Precision Analog Temperature Sensor, YFQ0004ACAC (DSBGA-4)", Alternate Manufacturer="Texas Instruments", Alternate PartNumber=LMT70YFQT, ComponentLink1Description="Datasheet Link", ComponentLink1URL=http://www.ti.com/lit/ds/symlink/lmt70.pdf, CompType=IC, Footprint Path 6=C:\AltiumLibraries\Footprints\TI\.PcbLib, LatestRevisionDate=2017-06-09, Manufacturer="Texas Instruments", MountType=SMT, PackageDescription=DSBGA-4, PackageReference=YFQ0004ACAC, PartNumber=LMT70YFQR, Publisher="Texas Instruments", RoHS=Y, SizeArea_mm2=0.781456, SizeAreaWB_mm2=3.549456, SizeX_mm=0.884, SizeY_mm=0.884, SizeZ_mm=0.675, U/M=EA
U11 U16: library part CMP-0038162-3, "Precision, 200-µA Supply Current, 36-V Supply Instrumentation Amplifier, DGK0008A (VSSOP-8)", Input Bias Current (+/-)(Max)(nA)=65, Manufacturer="Texas Instruments", Operating Temperature Range="-40 to 125 C", Quiescent Current (+/-)(Typ)(mA)=0.2, Rating=Catalog, AEC Category=Q200, AEC Qualified=N, CMRR(Min)(dB)=84, ComponentLink1Description="Datasheet Link", ComponentLink1URL=http://www.ti.com/lit/ds/symlink/ina826.pdf, ComponentLink2Description="Product Folder", ComponentLink2URL=http://www.ti.com/product/ina826, ComponentLink3Description="Online Datasheet", ComponentLink3URL=http://www.ti.com/product/ina826/datasheet, CompType=IC, Eco-Plan="Green (RoHS & no Sb/Br)", Gain(V/V)="1 to 1000", Input Offset (+/-)(Max)(uV)=150, Input Offset Drift (+/-)(Max)(uV/Degrees Celsius)=2, MountType=SMT, Noise at 1kHz(Typ)(nV/rt(Hz))=18, Non-Linearity (+/-)(Max)(%)=0.0005, Number of Channels=1, Output Offset (+/-)(Max)(uV)=700, Output Offset Drift (+/-)(Max)(uV/Degrees Celsius)=10, PackageDescription=VSSOP-8, PackageReference=DGK0008A, PartNumber=INA826AIDGK, RoHS=Y, SizeArea_mm2=14.7, SizeAreaWB_mm2=23.6, SizeX_mm=4.9, SizeY_mm=3, SizeZ_mm=1.1, Vs(Max)(V)=36, Vs(Min)(V)=2.7
U12: library part CMP-0077711-1, "High-Precision Voltage Reference with Integrated High-Bandwidth Buffer, DGK0008A (VSSOP-8)", Alternate Manufacturer="Texas Instruments", Alternate PartNumber=REF6241IDGKT, AEC Category=Q200, AEC Qualified=N, ComponentLink1Description="Datasheet Link", ComponentLink1URL=http://www.ti.com/lit/ds/symlink/ref6241.pdf, ComponentLink2Description="Product Folder", ComponentLink2URL=http://www.ti.com/product/ref6241, CompType=IC, Manufacturer="Texas Instruments", MountType=SMT, PackageDescription=VSSOP-8, PackageReference=DGK0008A, PartNumber=REF6241IDGKR, RoHS=Y, SizeArea_mm2=15.655, SizeAreaWB_mm2=35.955, SizeX_mm=5.05, SizeY_mm=3.1, SizeZ_mm=1.1
U13: "0.03 uV/degC, 6 uV Vos, Low Noise, Rail-to-Rail Output, Zero-Drift Operational Amplifier, 4 to 36 V, -40 to 105 degC, 8-pin SOIC (D0008A), Green (RoHS & no Sb/Br)", Alternate Manufacturer="Texas Instruments", Alternate PartNumber=Equivalent, Rating=Catalog, Supplier Part Number 1=296-36123-5-ND, Total Supply Voltage(Max)(+5V is 5, +/-5V is 10)=36, Total Supply Voltage(Min)(+5V is 5, +/-5V is 10)=4, CMRR(Min)(dB)=120, Code_JEDEC=MS-012, ComponentLink1Description="Manufacturer URL", ComponentLink1URL=http://www.ti.com/, ComponentLink2Description=Datasheet, ComponentLink2URL=http://www.ti.com/lit/ds/symlink/opa2188.pdf, ComponentLink3Description="Package Specification", ComponentLink3URL=http://www.ti.com/litv/pdf/msoi002j, DatasheetVersion=SBOS525B, Eco-Plan="Green (RoHS & no Sb/Br)", GBW(Typ)(MHz)=2, IIB(Max)(pA)=850, Iq per channel(Max)(mA)=0.475, Manufacturer="Texas Instruments", MountType=SMT, Number of Channels=2, Offset Drift(Typ)(uV/C)=0.03, PackageDescription="8-Pin Plastic Small Outline, Body 4.9 x 3.9 mm, Pitch 1.27 mm", PackageReference=D0008A, PackageVersion="4040047-3/M, 06/2011", Packing=TUBE, PartNumber=OPA2188AID, Slew Rate(Typ)(V/us)=0.8, Sub Family="High Supply Voltage Amplifier (>=30V), Low Noise Amp (<=10nV/rtHz), Low Offset Voltage Amplifier (<=500uV), Low Power Amp (<=500uA), Precision Amplifier, Zero Drift Precision Amplifier", Supplier 1=Digi-Key, Supplier 2=Newark, Supplier 3=Mouser, Supplier Part Number 2=61T5954, Supplier Part Number 3=595-OPA2188AID, Vio (25C)(Max)(mV)=0.025
U14 U15: library part INA188D, "INA188 Precision, Zero-Drift, Rail-to-Rail Out, High Voltage Instrumentation Amplifier, D0008A", Alternate Manufacturer="Texas Instruments", Supplier Part Number 1=296-44312-ND, ComponentLink1Description="Datasheet Link", ComponentLink1URL=https://sps06.itg.ti.com/sites/KMS/crossdivteams/altium/docs/ComponentDatasheets/INA188_Datasheet_061914.pdf, CompType=IC, LatestRevisionDate=2015-10-14, Manufacturer="Texas Instruments", MountType=SMT, PackageReference=D0008A, PartNumber=INA188ID, Publisher="Texas Instruments", RoHS=Y, Supplier 1=Digi-Key, SymbolCreator=Altium, SymbolVersion=2014-07-02, U/M=EA
U17: library part CMP-0033376-1, "Precision, Low Noise, Rail-to-Rail Output, Zero-Drift Operational Amplifier, 4 to 36 V, -40 to 125 degC, 8-pin SOIC (D8), Green (RoHS & no Sb/Br)", Manufacturer="Texas Instruments", Rating=Catalog, Total Supply Voltage(Max)(+5V is 5, +/-5V is 10)=36, Total Supply Voltage(Min)(+5V is 5, +/-5V is 10)=4, CMRR(Min)(dB)=120, Code_JEDEC=MS-012, ComponentLink1Description="Manufacturer URL", ComponentLink1URL=http://www.ti.com/, ComponentLink2Description=Datasheet, ComponentLink2URL=http://www.ti.com/lit/ds/symlink/opa188.pdf, ComponentLink3Description="Package Specification", ComponentLink3URL=http://www.ti.com/litv/pdf/msoi002j, DatasheetVersion=SBOS642A, Eco-Plan="Green (RoHS & no Sb/Br)", GBW(Typ)(MHz)=2, Iq per channel(Max)(mA)=0.51, Mounting Technology="Surface Mount", Number of Channels=1, Offset Drift(Typ)(uV/C)=0.03, PackageDescription="8-Pin Plastic Small Outline, Body 4.9 x 3.9 mm, Pitch 1.27 mm", PackageReference=D0008A, PackageVersion="4040047-3/M, 06/2011", Packing=TUBE, PartId=1, PartNumber=OPA188AID, Slew Rate(Typ)(V/us)=0.8, SubFamily="Zero Drift Precision Amplifier"
U18: library part LM2903D, "Dual Comparator, D0008A", Alternate Manufacturer="Texas Instruments", Supplier Part Number 1=296-16806-1-ND, ComponentLink1Description="LM2903 Datasheet", ComponentLink1URL=http://www.ti.com/lit/gpn/LM193, ComponentLink2Description="LM2903 Web Page", ComponentLink2URL=http://www.ti.com/product/LM2903, ComponentLink3Description="SOIC Package Web Page", ComponentLink3URL=http://www.ti.com/sc/docs/psheets/type/soic.html, CompType="OpAmp IC", LatestRevisionDate=2016-06-02, Manufacturer="Texas Instruments", MountType=SMT, PackageReference=D0008A, PartNumber=LM2903DR, Publisher="Texas Instruments", Supplier 1=Digi-Key, SymbolVersion=2013-12-03
ZZ1: library part AssemblyNoteLabel, Alternate Manufacturer=-, Alternate PartNumber=-, ClassName=AssemblyNote, CompType=AssemblyNote, LatestRevisionDate=2012-07-31, LatestRevisionNote="Initial Version", Publisher="Texas Instruments", SymbolCreator=a0412235, SymbolVersion=2012-06-14
ZZ2 ZZ3 ZZ4: library part AssemblyNote, Alternate Manufacturer=-, Alternate PartNumber=-, ClassName=AssemblyNote, CompType=AssemblyNote, LatestRevisionDate=2012-06-14, LatestRevisionNote="Initial Version", Publisher="Texas Instruments", SymbolCreator=codlsc, SymbolVersion=2010-05-18

## Via types
v1: diameter 24, hole 12, Top Layer to Bottom Layer, tented both sides, 198 vias
v2: diameter 19.68, hole 7.87, Top Layer to Bottom Layer, 30 vias
v3: diameter 32, hole 16, Top Layer to Bottom Layer, tented both sides, 24 vias
